# Altium PCB Mixed_Signal_Board_PCB.PcbDoc (part 4 of 4)
Units mm, origin at the board's own origin, x right, y up, seen from the top; angles counter-clockwise.
Board outline 144 x 107 mm, 4 copper layers (Top, PWR, GND, Bottom), stack 1.514 mm thick; 243 components, 208 nets, 912 pads, 526 vias.
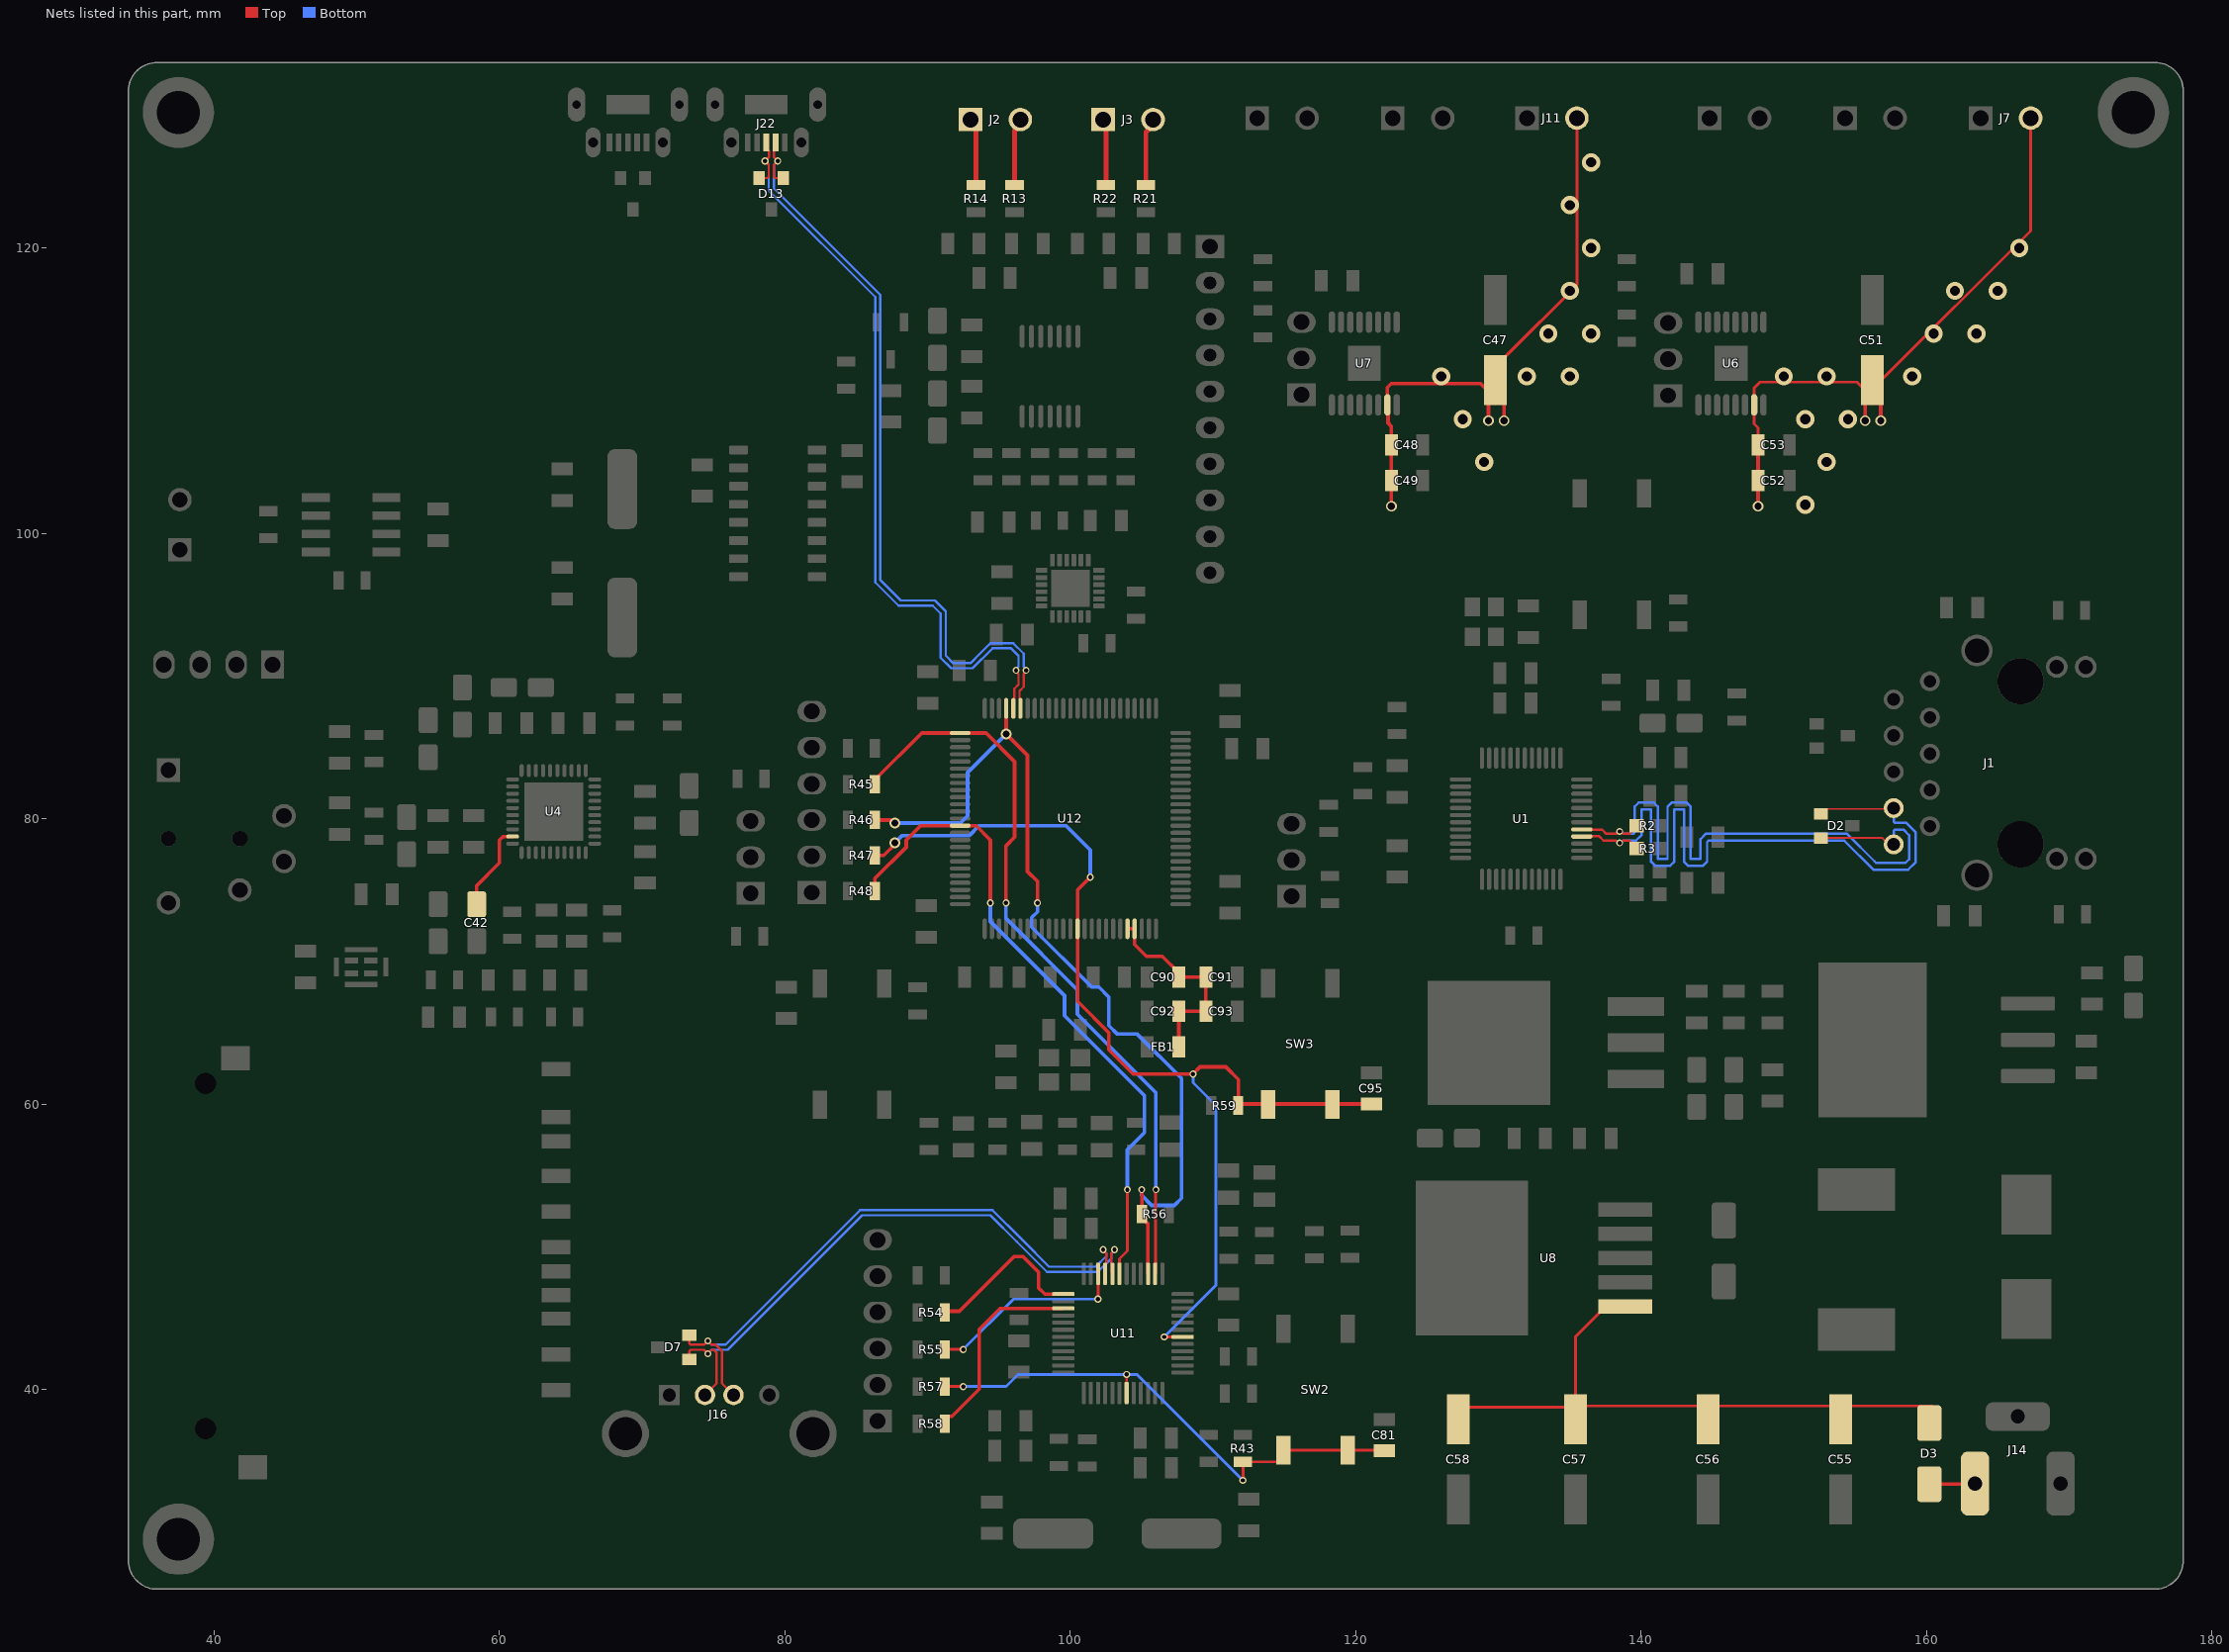
[diagram p6: the nets of this part, all layers, seen from the top]

## Via types
v1: diameter 0.75, hole 0.5, Top to Bottom, 298 vias
v2: diameter 0.5, hole 0.3, Top to Bottom, 142 vias
v3: diameter 1.27, hole 0.711, Top to Bottom, 63 vias
v4: diameter 0.6, hole 0.4, Top to Bottom, 22 vias
v5: diameter 1.25, hole 1, Top to Bottom, 1 vias

## Nets (pads, with @x,y where several pads share a name; then routed paths per layer and width w, separated by ;. In a path a pad name is that pad's centre, name@x,y a point inside that pad or via, vN(x,y) a via of type N, cw(c..) or ccw(c..) an arc to the next point about the centre after c; other vN are vias at no path point) (continued)
STLINK_USB_D_N: D7.1 J16.2 U11.32 | length 43
  Top w0.161: D7.1@73.3,42.1 73.3,42.675 73.394,42.77 73.919,42.77 74.33,42.77 v2(74.6,42.5) 74.87,42.77 75.01,42.77 75.22,42.56 75.22,40.43 J16.2@74.4,39.61 ; U11.32@102.948,48.109 102.888,48.169 102.888,48.893 102.878,48.903 102.878,49.244 102.88,49.246 102.88,49.536 103.1,49.756 v2(103.1,49.8)
  Bottom w0.161: v2(74.6,42.5) 74.87,42.77 75.98,42.77 85.41,52.2 94.4,52.2 96.253,50.347 98.361,48.239 101.929,48.239 102.88,49.191 102.88,49.536 103.1,49.756 v2(103.1,49.8)
STLINK_USB_D_P: D7.2 J16.3 U11.33 | length 43
  Top w0.161: D7.2@73.3,43.8 73.3,43.225 73.394,43.13 73.77,43.13 74.33,43.13 v2(74.6,43.4) 74.87,43.13 75.159,43.13 75.58,42.709 75.58,40.43 J16.3@76.4,39.61 ; v2(102.3,49.8) 102.3,49.756 102.52,49.536 102.52,49.396 102.518,49.394 102.518,48.903 102.508,48.893 102.508,48.169 U11.33@102.448,48.109
  Bottom w0.161: v2(74.6,43.4) 74.87,43.13 75.83,43.13 85.261,52.561 94.549,52.561 96.614,50.497 98.51,48.6 101.779,48.6 102.52,49.34 102.52,49.536 102.3,49.756 v2(102.3,49.8)
STM_JTCK/SWCLK: R54.2 U11.37 | length 11.7
  Top w0.254: R54.2@91.2,45.4 91.282,45.482 92.232,45.482 96.05,49.3 96.7,49.3 97.768,48.232 97.768,47.132 98.221,46.679 U11.37@99.518,46.679
STM_JTDO/SWO: R58.2 U11.39 | length 14.3
  Top w0.254: R58.2@91.2,37.6 91.2,37.892 91.423,38.115 91.715,38.115 93.618,40.018 93.618,44.218 95.079,45.679 U11.39@99.518,45.679
STM_JTMS/SWDIO: R55.2 U11.34 | length 14
  Top w0.2: R55.2@91.2,42.8 v2(92.5,42.8) ; v2@101.948,46.334 U11.34@101.948,48.109
  Bottom w0.2: v2(92.5,42.8) 96.03,46.33 v2(101.944,46.33)
STM_NRST: C81.1 R43.1 R57.2 SW2.2 SW2.4 U11.7 | length 37.4
  Top w0.2: R57.2@91.2,40.2 v2(92.5,40.2) ; U11.7@103.948,39.749 v2(103.948,41.049) ; v2(112.1,33.625) R43.1@112.1,34.925 114.55,34.925 114.95,35.325 SW2.4@114.95,35.75 SW2.2@119.45,35.75 121.95,35.75 C81.1@122,35.7
  Bottom w0.2: v2(92.5,40.2) 95.5,40.2 96.349,41.049 v2(103.948,41.049) 104.676,41.049 v2(112.1,33.625)
T_JTCK/SWCLK: R45.2 U11.26 U12.76 | length 52.8
  Top w0.2: U11.26@105.948,48.109 105.974,48.135 105.974,53.974 v2(106,54)
  Top w0.254: R45.2@86.304,82.422 86.304,82.722 89.59,86.008 U12.76@92.283,86.008 92.292,85.999 94.101,85.999 96.1,84 96.1,78.7 95.5,78.1 v2(95.5,74.1)
  Bottom w0.254: v2(95.5,74.1) 95.5,73 100.5,68 100.5,66.3 106,60.8 v2(106,54)
T_JTMS/SWDIO: R46.2 R56.1 U11.27 U12.72 | length 64.3
  Top w0.254: R46.2@86.304,79.922 86.326,79.9 87.366,79.9 87.566,79.7 v1(87.7,79.7) ; U12.72@95.508,87.733 v1(95.508,85.933) 97,84.441 97,76.3 97.7,75.6 v2(97.7,74.1) ; v2(105,54) 105.013,53.988 105.013,52.312 R56.1@105.025,52.3 105.025,52 105.448,51.577 U11.27@105.448,48.109
  Bottom w0.254: v1(87.7,79.7) 92.3,79.7 92.8,80.2 92.8,83.225 v1(95.508,85.933) ; v2(97.7,74.1) 97.7,73.467 97.3,73.067 97.3,72.4 101.5,68.2 102,68.2 102.7,67.5 102.7,65.5 103.3,64.9 104.7,64.9 107.8,61.8 107.8,53.4 107.3,52.9 105.7,52.9 105,53.6 v2(105,54)
T_NRST: C95.1 R47.2 R59.1 SW3.2 SW3.4 U11.18 U12.14 | length 75.4
  Top w0.2: v2(106.578,43.679) U11.18@107.878,43.679
  Top w0.254: R47.2@86.304,77.422 86.929,77.422 87.7,78.193 v1(87.7,78.3) ; v2(101.4,75.9) 100.508,75.008 100.508,67.192 102.7,65 102.7,63.8 104.4,62.1 v2(108.6,62.1) 109.1,62.6 110.9,62.6 111.775,61.725 R59.1@111.775,59.9 111.875,60 C95.1@121.1,60
  Bottom w0.2: v2(106.578,43.679) 110.2,47.301 110.2,59.9 108.6,61.5 v2(108.6,62.1)
  Bottom w0.254: v1(87.7,78.3) 88.2,78.8 92.9,78.8 93.6,79.5 99.7,79.5 101.4,77.8 v2(101.4,75.9)
T_SWO: R48.2 U11.31 U12.89 | length 46.8
  Top w0.2: U11.31@103.448,48.109 103.448,49.148 104,49.7 v2(104,54)
  Top w0.254: R48.2@86.304,74.922 86.304,75.804 88.5,78 88.5,78.5 89.508,79.508 U12.89@92.283,79.508 92.292,79.499 93.401,79.499 94.4,78.5 v2(94.4,74.1)
  Bottom w0.254: v2(94.4,74.1) 94.4,72.8 99.6,67.6 99.6,66.2 105.2,60.6 105.2,58 104,56.8 v2(104,54)
TD_N: D2.1 J1.8 R3.1 U1.16 | length 51.3
  Top w0.124: D2.1@152.6,80.35 152.938,80.688 157.648,80.688 J1.8@157.7,80.74
  Top w0.169: U1.16@135.85,78.75 135.863,78.763 137.066,78.763 137.366,78.463 138.248,78.463 138.411,78.3 v2(138.5,78.3) 138.589,78.3 138.752,78.463 139.185,78.463 139.285,78.364 139.285,78.29 139.675,77.9 R3.1@139.7,77.9
  Bottom w0.169: v2(138.5,78.3) 138.589,78.3 138.752,78.463 139.227,78.463 139.647,78.463 140.024,78.84 140.024,80.645 140.701,80.645 140.701,76.983 140.979,76.705 142.049,76.705 142.327,76.983 142.327,80.645 143.004,80.645 143.004,76.983 143.282,76.705 144.352,76.705 144.629,76.983 144.629,78.364 144.729,78.463 145.088,78.463 154.237,78.463 156.274,76.426 158.721,76.426 159.25,76.955 159.25,79.045 158.588,79.707 157.799,79.707 157.7,79.806 J1.8@157.7,80.74
TD_P: D2.2 J1.10 R2.2 U1.17 | length 49.7
  Top w0.124: D2.2@152.6,78.65 156.906,78.65 157.356,78.2 J1.10@157.7,78.2
  Top w0.169: U1.17@135.85,79.25 135.863,79.237 137.262,79.237 137.562,78.937 138.248,78.937 138.411,79.1 v2(138.5,79.1) 138.589,79.1 138.752,78.937 139.185,78.937 139.285,79.036 139.285,79.11 139.675,79.5 R2.2@139.7,79.5
  Bottom w0.169: v2(138.5,79.1) 138.589,79.1 138.752,78.937 139.227,78.937 139.451,78.937 139.55,79.036 139.55,80.842 139.828,81.12 140.898,81.12 141.175,80.842 141.175,77.179 141.853,77.179 141.853,80.842 142.13,81.12 143.2,81.12 143.478,80.842 143.478,77.179 144.155,77.179 144.155,78.56 144.532,78.937 145.088,78.937 154.433,78.937 156.36,77.01 156.47,76.9 158.525,76.9 158.776,77.151 158.776,78.849 158.392,79.233 157.799,79.233 157.7,79.134 J1.10@157.7,78.2
USB_FS_N: D13.1 J22.2 U12.70 | length 55.2
  Top w0.161: J22.2@79.35,127.4 79.237,127.287 79.237,126.364 v2(79.5,126.1) ; v2(79.5,126.1) 79.23,125.83 79.23,124.994 79.325,124.9 D13.1@79.9,124.9 ; U12.70@96.508,87.733 96.508,88.346 96.438,88.415 96.438,88.951 96.73,89.243 96.73,90.139 96.9,90.308 v2(96.9,90.4)
  Bottom w0.161: v2(79.5,126.1) 79.23,125.83 79.23,124.17 86.695,116.705 86.695,96.716 88.122,95.289 90.511,95.289 91.272,94.528 91.272,93.928 91.272,91.428 91.8,90.9 93.001,90.9 93.65,91.55 94.401,92.3 96,92.3 96.73,91.57 96.73,90.661 96.9,90.492 v2(96.9,90.4)
USB_FS_P: D13.2 J22.3 U12.71 | length 55.3
  Top w0.161: D13.2@78.2,124.9 78.775,124.9 78.87,124.994 78.87,125.83 v2(78.6,126.1) 78.612,126.1 78.876,126.364 78.876,126.799 78.7,126.975 J22.3@78.7,127.4 ; U12.71@96.008,87.733 96.008,88.346 96.078,88.415 96.078,89.101 96.37,89.393 96.37,90.139 96.2,90.308 v2(96.2,90.4)
  Bottom w0.161: v2(78.6,126.1) 78.87,125.83 78.87,124.02 86.334,116.556 86.334,96.567 87.972,94.928 90.362,94.928 90.911,94.379 90.911,93.928 90.911,91.279 91.651,90.539 93.15,90.539 94.55,91.939 95.851,91.939 96.37,91.42 96.37,90.661 96.2,90.492 v2(96.2,90.4)
VDDA: C90.2 C91.2 C92.2 C93.2 FB1.2 U12.21 U12.22 | length 14.5
  Top w0.254: U12.21@104.008,72.283 U12.22@104.508,72.283 104.508,71.177 105.335,70.35 106.45,70.35 107.6,69.2 C90.2@107.6,68.9 C91.2@109.5,68.9 C93.2@109.5,66.5 C92.2@107.6,66.5 FB1.2@107.6,64
VIN: C47.1 C48.2 C49.2 C51.1 C52.2 C53.2 D3.2 J7.2 J11.2 J14.1 U6.15 U7.15 | length 97.9
  Top w0.2: C47.1@129.8,109.452 129.8,111.7 130.5,112.4 135.5,117.4 ; v3@135.05,116.95 135.5,117.4 ; J11.2@135.5,129.1 135.5,123 135.5,117.4 ; C53.2@148.2,106.2 148.2,107.4 147.925,107.675 U6.15@147.925,109 147.925,110.183 148.342,110.6 155.125,110.6 155.7,110.025 C51.1@156.2,109.525 ; C51.1@156.2,109.1 C51.1@156.2,109.525 ; J7.2@167.3,129.1 167.3,121.2 156.8,110.7 156.2,110.1 C51.1@156.2,109.525
  Top w0.254: v1(122.5,101.9) C49.2@122.5,103.7 C48.2@122.5,106.2 122.5,107.5 122.263,107.737 122.263,108.962 U7.15@122.225,109 122.225,110.225 122.5,110.5 126,110.5 128.752,110.5 C47.1@129.3,109.952 ; v1(129.3,107.9) 129.3,110.95 C47.1@129.3,109.952 ; C47.1@129.8,109.1 129.8,109.452 C47.1@129.3,109.952 ; v1(130.4,107.9) C47.1@130.4,110.95 ; v1(148.2,101.9) C52.2@148.2,103.7 C53.2@148.2,106.2 ; v1(155.7,107.9) 155.7,110.025 C51.1@155.7,110.95 ; v1(156.8,107.9) 156.8,110.7 C51.1@156.8,110.95 ; D3.2@160.2,33.36 163.36,33.36 J14.1@163.4,33.4
  other v3: 151.5,102 129,105 153,105 127.5,108 151.5,108 154.5,108 126,111 132,111 135,111 150,111 153,111 159,111 133.5,114 136.5,114 160.5,114 163.5,114 135,117 162,117 165,117 136.5,120 166.5,120 135,123 136.5,126
VIN1N: J2.1 R14.2 | length 4.8
  Top w0.34: J2.1@93,129 93.4,128.6 R14.2@93.4,124.4
VIN1P: J2.2 R13.2 | length 4.8
  Top w0.34: R13.2@96.1,124.4 96.1,128.222 96.5,128.622 J2.2@96.5,129
VIN2N: J3.1 R22.2 | length 4.7
  Top w0.34: J3.1@102.3,129 102.5,128.8 R22.2@102.5,124.4
VIN2P: J3.2 R21.2 | length 4.8
  Top w0.34: R21.2@105.3,124.4 105.3,128.122 105.8,128.622 J3.2@105.8,129
VINBUCK: C55.1 C56.1 C57.1 C58.1 D3.1 U8.1 | length 43.2
  Top w0.2: C58.1@127.2,37.7 127.2,38.05 127.9,38.75 C57.1@135.4,38.75 ; U8.1@138.9,45.8 137.5,45.8 135.4,43.7 135.4,38.84 C57.1@135.4,38.75 ; D3.1@160.4,38.84 154,38.84 144.7,38.84 135.49,38.84 C57.1@135.4,38.75
VQ: C42.1 U4.19 | length 6.2
  Top w0.254: C42.1@58.4,74 58.4,75.3 60,76.9 60,78.5 60.245,78.745 60.92,78.745 U4.19@60.925,78.75
pads on no net: J1.17 J1.18 J4. J4.4 J4.5 J23.8 J23.9 J23.10 J23.11 J23.CD J23.WP OSC1.1 U1.1 U1.7 U1.8 U1.9 U1.10 U1.11 U1.12 U1.25 U1.27 U1.33 U1.38 U1.39 U1.42 U1.45 U1.46 U4.20 U4.23 U4.24 U4.25 U4.26 U4.37 U11.4 U11.11 U11.14 U11.15 U11.16 U11.17 U11.19 U11.21 U11.22 U11.28 U11.29 U11.38 U11.40 U11.41 U11.42 U11.43 U11.45 U11.46 U13.10 U13.11 U13.12 U13.13 U13.15 U14.2 U14.3 U14.4 U14.5 U14.6 U14.7 U14.14 U14.15 U14.16 U14.17 U14.19 U14.21 U14.22 U15.5

## Polygon pours and split planes (outlines as drawn)
5V on Top "5V_L01_P001" (solid, pour order 1): 137.5,66 137,66.5 137,69 137.5,69.5 141.5,69.5 142,69 142,68 143.5,66.5 147.25,66.5 147.5,66.25 147.5,65.25 147.25,65 146.5,65 146.25,64.75 146.25,64 146,63.75 145.85,63.75 145.4,63.3 145.4,57.1 145.75,56.75 171.75,56.75 172.5,57.5 172.5,63.5 172.25,63.75 170.25,63.75 170,64 170,66.25 169.75,66.25 169.5,66.5 165,66.5 164.75,66.75 164.75,67.5 165,67.75 173.5,67.75 173.75,68 175.25,68 175.5,67.75 175.5,51 174.75,50.25 150.5,50.25 136.75,50.25 136.5,50.5 136.5,51.25 136.75,51.5 142,51.5 142.5,52 142.5,65.1 141.6,66
VIN on Top "VIN_L01_P009" (solid, pour order 9): 168.75,129.5 168,130.25 166.75,130.25 166,129.5 166,122.5 157.25,113.75 150.7,113.75 147.7,110.75 147.7,101.5 147.95,101.25 152.2,101.25 168.75,117.8
VIN on Top "VIN_L01_P008" (solid, pour order 8): 137.25,129.5 136.5,130.25 134.5,130.25 133.75,129.5 133.75,116.75 130.75,113.75 125,113.75 122,110.75 122,101.5 122.25,101.25 126.5,101.25 137.25,112
GND on Top "GND_L01_P059" (solid, pour order 59): 89.5,89.1 88.7,89.9 88.7,94.9 89.5,95.7 96.686,95.7 97.4,94.986 97.4,94.7 96.7,94 96.1,94 95.6,93.5 95.6,92.2 95.1,91.7 93.6,91.7 93.3,91.4 93.3,89.6 93.8,89.1
GND on Top "GND_L01_P058" (solid, pour order 58): 59.1,78.9 59,78.8 59,77.5 58.9,77.4 57.9,77.4 57.8,77.3 57.8,76.3 57.5,76 51.9,76 51.5,76.4 51.5,77.1 51.9,77.5 52.5,77.5 52.8,77.8 52.8,78.5 53.2,78.9 58.5,78.9 58.8,79.2 59.1,79.2
1V8 on Top "1V8_L01_P057" (solid, pour order 57): 61.3,80.4 61.4,80.3 61.4,80.2 61.3,80.1 59.4,80.1 58.5,79.2 52.9,79.2 52.6,79.5 52.6,81.7 52.9,82 57.4,82 59,80.4
GND on Top "GND_L01_P056" (solid, pour order 56): 170.9,68.5 170.4,69 170.4,71.2 170.9,71.7 175.4,71.7 175.8,71.3 175.8,69 175.3,68.5
GND on Top "GND_L01_P055" (solid, pour order 55): 143.2,67.4 142.8,67.8 142.8,69.8 143.1,70.1 150.1,70.1 150.4,69.8 150.4,67.8 150,67.4
GND on Top "GND_L01_P054" (solid, pour order 54): 155,119.4 155.4,119.8 157,119.8 157.4,119.4 157.4,114.6 157.1,114.3 155.3,114.3 155,114.6
GND on Top "GND_L01_P053" (solid, pour order 53): 128.6,119.4 129,119.8 130.6,119.8 131,119.4 131,114.6 130.7,114.3 128.9,114.3 128.6,114.6
GND on Top "GND_L01_P052" (solid, pour order 52): 86.8,111.5 86.4,111.1 86.4,109.4 86.6,109.2 89.6,109.2 90,108.8 91.5,108.8 92.2,109.5 98.1,109.5 98.5,109.9 98.5,112.2 98.1,112.6 96.2,112.6 95.6,113.2 87.1,113.2 86.8,112.9
GND on Top "GND_L01_P051" (solid, pour order 51): 77.4,105.4 75.7,105.4 75.2,104.9 75.2,104.3 75,104.1 73.4,104.1 73.2,104.3 73.2,106.9 73.5,107.2 77.4,107.2 77.6,107 77.6,105.6
GND on Top "Top-GND" (solid, pour order 50): 122.5,40 123.5,39 123.5,29.4 124.2,28.7 171.2,28.7 173.8,31.3 173.8,46.3 171.35,48.75 164.85,48.75 162.4,46.3 162.4,38.8 164.7,36.5 165.9,36.5 166.5,35.9 166.5,31.6 165,30.1 159.9,30.1 157.7,32.3 157.7,34.3 157,35 125.5,35 125,35.5 125,41.25 125.75,42 131,42 136,47 136,48.25 136.25,48.5 141.75,48.5 142.25,49 142.25,49.5 141.75,50 136.25,50 136,50.25 136,51.75 136.25,52 141.7,52 142,52.3 142,62.3 141.7,62.6 137.5,62.6 137.2,62.3 137.2,55.6 136.433,54.833 131.979,54.821 131.8,55 131.8,58.2 131.6,58.4 127,58.4 126.8,58.2 126.8,55 126.607,54.807 122.998,54.798 122.5,54.3
VINBUCK on Top "VINBUCK_L01_P004" (solid, pour order 4): 161.5,36.5 161.5,40.7 160.9,41.3 141.7,41.3 141.25,41.75 141.25,46 140.75,46.5 136.75,46.5 134,43.75 131.5,41.25 126.25,41.25 125.75,40.75 125.75,36 161,36
ADC_VREF on Top "ADC_VREF_L01_P049" (solid, pour order 49): 97.4,113 97.5,113.1 97.5,114.9 97.2,115.2 94.6,115.2 93.8,116 86.4,116 83.4,113 83.4,111.6 83.6,111.4 85.9,111.4 86.4,111.9 86.4,113.1 86.9,113.6 95.923,113.6 96.537,112.987 96.55,113
GND on Top "GND_L01_P048" (solid, pour order 48): 165,62.4 165.2,62.6 170.2,62.6 170.4,62.8 172,62.8 172.2,62.6 172.2,60 172,59.8 165.2,59.8 165,60
GND on Top "GND_L01_P047" (solid, pour order 47): 145.8,60.6 146,60.8 149.9,60.8 150.1,60.6 150.1,57.5 149.9,57.3 146,57.3 145.8,57.5
1V8 on Top "1V8_L01_P003" (solid, pour order 3): 136.1,55.2 136.8,55.9 136.8,62.6 137.2,63 141.7,63 142,63.3 142,65 141.75,65.25 137.25,65.25 136.25,66.25 136.25,69 135.75,69.5 124.25,69.5 123.5,68.75 123.5,55.9 124.2,55.2 126.3,55.2 126.6,55.5 126.6,58.4 126.9,58.7 131.9,58.7 132.2,58.4 132.2,55.5 132.5,55.2
3V3 on Top "3V3_L01_P044" (solid, pour order 44): 66.2,79.2 66.2,79.3 66.3,79.4 68.7,79.4 69.4,78.7 72.2,78.7 72.4,78.5 72.4,77.1 72.2,76.9 69.2,76.9 69,77.1 69,78 67.9,79.1 66.3,79.1
NetC7_2 on Top "NETC7_2_L01_P043" (solid, pour order 43): 140.7,76.7 140.9,76.9 143.6,76.9 143.8,76.7 143.8,74.3 143.6,74.1 140.901,74.1 140.7,74.3
NetC5_2 on Top "NETC5_2_L01_P042" (solid, pour order 42): 140.7,79.9 140.9,80.1 143.6,80.1 143.8,79.9 143.8,77.5 143.6,77.3 140.901,77.3 140.7,77.5
NetR6_1 on Top "NETR6_1_L01_P041" (solid, pour order 41): 130.7,76.5 130.8,76.6 131.4,76.6 131.5,76.5 131.5,71.1 131.4,71 130.4,71 130.3,71.1 130.3,72.6 130.4,72.7 130.6,72.7 130.7,72.8
ETH_PFBOUT on Top "ETH_PFBOUT_L01_P040" (solid, pour order 40): 135,82.2 135,82.3 135.1,82.4 136.6,82.4 137.4,83.2 137.4,85.8 140.1,88.5 140.1,89.7 140.3,89.9 141.3,89.9 141.5,89.7 141.5,87.7 141.9,87.3 141.9,86.1 141.6,85.8 138.3,85.8 137.9,85.4 137.9,83.4 136.6,82.1 135.1,82.1
ETH_PFBIN1 on Top "ETH_PFBIN1_L01_P039" (solid, pour order 39): 135.1,79.6 135,79.7 135,79.8 135.1,79.9 136.7,79.9 139.2,82.4 141.2,82.4 141.3,82.3 141.3,80.9 141.2,80.8 138,80.8 136.8,79.6
NetC107_2 on Top "NETC107_2_L01_P038" (solid, pour order 38): 99.9,97.7 99.9,99 99.1,99.8 97,99.8 96.5,100.3 96.5,101.6 96.3,101.8 95.2,101.8 95,101.6 95,99.5 95.2,99.3 98.9,99.3 99.6,98.6 99.6,97.7
NetC106_2 on Top "NETC106_2_L01_P037" (solid, pour order 37): 99.1,94.6 99.4,94.6 99.4,92.9 99.3,92.8 98.4,92.8 97.7,92.1 96.5,92.1 96.4,92.2 96.4,93.6 96.5,93.7 98.1,93.7 98.3,93.5 98.4,93.4 98.8,93.4 99.1,93.7
3V3 on Top "3V3_L01_P036" (solid, pour order 36): 100.6,97.7 100.6,102.8 100.7,102.9 101.8,102.9 101.9,102.8 101.9,99.4 101.3,98.8 101,98.8 100.9,98.7 100.9,97.7
3V3 on Top "3V3_L01_P035" (solid, pour order 35): 98.4,97.55 98.4,97.25 98.375,97.225 97.525,97.225 97.4,97.1 97.4,96.9 97.3,96.8 92.9,96.8 92.8,96.9 92.8,97.7 92.9,97.8 98.15,97.8
5V on Top "5V_L01_P034" (solid, pour order 34): 96.8,108.9 96.8,107.5 96.7,107.4 94.2,107.4 91.6,104.8 83.7,104.8 83.2,105.3 81.5,105.3 81.3,105.5 81.3,110.4 81.5,110.6 85.6,110.6 85.8,110.4 85.8,108.7 86,108.5 91.9,108.5 92.4,109 96.7,109
3V3 on Top "3V3_L01_P033" (solid, pour order 33): 119.5,114 119.8,114 119.9,114.1 119.9,115.9 118.6,117.2 118.6,120.2 118.3,120.5 116.8,120.5 116.5,120.2 116.5,117.6 117.3,116.8 118.3,116.8 119.4,115.7 119.4,114.1 119.4,115.9 119.4,114.1
3V3 on Top "3V3_L01_P032" (solid, pour order 32): 141.6,118.3 138.3,118.3 137.9,118.7 137.9,120.9 138.4,121.4 143.1,121.4 144.3,120.2 144.3,117.4 145.6,116.1 145.6,114.1 145.5,114 145.2,114 145.1,114.1 145.1,115.9 144.2,116.8 143.1,116.8
NetR35_1 on Top "NETR35_1_L01_P031" (solid, pour order 31): 119.1,114 119.2,114.1 119.2,115.4 118,116.6 117.1,116.6 116,117.7 112.6,117.7 112.2,117.3 112.2,115.2 112.5,114.9 114.5,114.9 115.3,115.7 117.2,115.7 117.9,115 117.9,114.1 118,114
NetR33_1 on Top "NETR33_1_L01_P030" (solid, pour order 30): 144.8,114 144.9,114.1 144.9,115.8 144.1,116.6 142.8,116.6 141.7,117.7 138.3,117.7 137.9,117.3 137.9,115.2 138.2,114.9 140.2,114.9 141,115.7 142.9,115.7 143.6,115 143.6,114.1 143.7,114
3V3 on Top "3V3_L01_P029" (solid, pour order 29): 130.8,83.5 130.9,83.5 131,83.6 131,86.6 131.7,87.3 134,87.3 134.4,87.7 134.4,90.7 134,91.1 131.7,91.1 131.3,90.7 131.3,87.5 130.7,86.9 130.7,83.6
3V3 on Top "3V3_L01_P028" (solid, pour order 28): 135.1,81.8 135.2,81.9 136.7,81.9 138.2,83.4 138.2,85.2 138.5,85.5 141.3,85.5 141.6,85.2 141.6,83.6 141.3,83.3 138.9,83.3 137.2,81.6 135.2,81.6 135.1,81.7
3V3 on Top "3V3_L01_P027" (solid, pour order 27): 128.1,77.4 128.2,77.3 128.2,75.4 128.1,75.3 120.9,75.3 120.7,75.5 120.7,77.2 120.9,77.4
3V3 on Top "3V3_L01_P025" (solid, pour order 25): 94.2,88.4 94.2,87 93.8,86.6 88,86.6 87.6,87 87.6,88.4 87.8,88.6 94,88.6
3V3 on Top "3V3_L01_P024" (solid, pour order 24): 107,85.85 107,87.2 107.3,87.5 113,87.5 113.4,87.1 113.4,86.5 112.75,85.85
3V3 on Top "3V3_L01_P023" (solid, pour order 23): 107,75.1 107.1,75.2 108.6,75.2 109.5,76.1 113.2,76.1 113.3,76 113.3,75 113.112,74.812 107.088,74.812 107,74.9
3V3 on Top "3V3_L01_P022" (solid, pour order 22): 101,47.3 101.1,47.4 101.1,50 100.3,50.8 100.3,54.1 100.1,54.3 97.3,54.3 97.1,54.1 97.1,49.9 99.7,47.3
3V3 on Top "3V3_L01_P021" (solid, pour order 21): 107.1,46.5 107,46.6 107,46.8 107.5,47.3 113.3,47.3 113.5,47.1 113.5,46.3 113.3,46.1 109.8,46.1 109.4,46.5
3V3 on Top "3V3_L01_P020" (solid, pour order 20): 104.8,40.5 104.9,40.6 105,40.6 105.1,40.5 105.1,38.7 106.3,37.5 107.7,37.5 107.9,37.3 107.9,32.5 107.7,32.3 106.5,32.3 106.3,32.5 106.3,36.8 104.8,38.3
3V3 on Top "3V3_L01_P019" (solid, pour order 19): 100.3,41.3 101.1,40.5 101.1,38.8 99.7,37.4 98.3,37.4 97.8,36.9 97.8,33.9 97.5,33.6 96.4,33.6 96.1,33.9 96.1,39.8 95.9,40 94.3,40 94,40.3 94,41.6 94.3,41.9 97.3,41.9 97.9,41.3
3V3 on Top "3V3_L01_P018" (solid, pour order 18): 102.8,72.9 102.9,73 103.1,73 103.2,72.9 103.2,70.8 104.4,69.6 104.4,66.9 104.2,66.7 103.4,66.7 103.2,66.9 103.2,69.5 102.8,69.9
3V3 on Top "3V3_L01_P017" (solid, pour order 17): 98.8,72.9 98.9,73 99.1,73 99.2,72.9 99.2,67 99.1,66.9 98.2,66.9 98.1,67 98.1,70.1 98.8,70.8
3V3 on Top "3V3_L01_P016" (solid, pour order 16): 93,74.2 93.1,74.1 93.1,72 93,71.9 92.8,71.9 92.7,71.8 92.7,69.9 92.8,69.8 93.1,69.8 93.2,69.7 93.2,64.4 93.1,64.3 88.5,64.3 88.4,64.4 88.4,66.7 88.5,66.8 90,66.8 90.1,66.9 90.1,69.1 90,69.2 89,69.2 88.9,69.3 88.9,72.2 89,72.3 91.4,72.3 91.5,72.4 91.5,74.1 91.6,74.2
3V3 on Top "3V3_L01_P015" (solid, pour order 15): 63.9,83 64,82.9 64.1,82.9 64.2,83 64.2,85.5 64.6,85.9 63.5,85.9 63.9,85.5
3V3 on Top "3V3_L01_P013" (solid, pour order 13): 61.5,85.8 61.3,86 61.3,88 61.5,88.2 61.7,88.2 61.9,88.4 61.9,90.6 62.1,90.8 72.6,90.8 72.8,90.6 72.8,88.1 72.6,87.9 68.1,87.9 67.9,88.1 67.9,89 67.7,89.2 65.5,89.2 65.3,89 65.3,86 65.1,85.8
GND on Top "GND_L01_P012" (solid, pour order 12): 78.2,126.6 78.3,126.7 78.3,129.2 78.4,129.3 80.5,129.3 80.6,129.2 80.6,126.6 80.9,126.3 81.5,126.3 81.8,126.6 81.8,128.4 82.1,128.7 82.7,128.7 83,129 83,131.1 82.7,131.4 74.6,131.4 74.3,131.1 74.3,129.1 75.6,127.8 75.6,126.5 75.9,126.2 76.6,126.2 77,126.6
GND on Top "GND_L01_P011" (solid, pour order 11): 68.5,126.6 68.6,126.7 68.6,129.2 68.7,129.3 70.8,129.3 70.9,129.2 70.9,126.6 71.2,126.3 71.8,126.3 72.1,126.6 72.1,128.4 72.4,128.7 73,128.7 73.3,129 73.3,131.1 73,131.4 64.9,131.4 64.6,131.1 64.6,129.1 65.9,127.8 65.9,126.5 66.2,126.2 66.9,126.2 67.3,126.6
VDDA on Top "VDDA_L01_P010" (solid, pour order 10): 103.8,72.9 104,73.1 104.5,73.1 104.7,72.9 104.7,71.4 104.9,71.2 110.1,71.2 110.5,70.8 110.5,63.5 110,63 107,63 106.5,63.5 106.5,69.6 106,70.1 105.1,70.1 103.8,71.4
VIN on Top "VIN_L01_P007" (solid, pour order 7): 158.4,32.85 160.25,31 164.75,31 165.5,31.75 165.5,35 164.75,35.75 162.25,35.75 161.5,35 159.1,35 158.4,34.3
NetD4_1 on Top "NETD4_1_L01_P005" (solid, pour order 5): 137,46.75 136.75,47 136.75,48 137,48.25 144,48.25 144.75,49 158.25,49 158.75,48.5 158.75,42.75 158.25,42.25 142.75,42.25 142.25,42.75 142.25,46.5 142,46.75
3V3 on Top "3V3_L01_P002" (solid, pour order 2): 145.75,63.25 146,63.5 146.538,63.5 146.75,63.712 146.75,64.5 147,64.75 148,64.75 148.25,65 148.25,66.25 148.5,66.5 150.5,66.5 150.75,66.75 150.75,69.75 151,70 163.5,70 164.25,69.25 164.25,66.5 164.75,66 169,66 169.5,65.5 169.5,63.5 169,63 164.75,63 164.25,62.5 164.25,57.75 163.75,57.25 151.25,57.25 150.9,57.6 150.9,61 150.65,61.25 146,61.25 145.75,61.5
3V3 on PWR (split plane): 172 vertices, not listed, extent 34.509,26.509 172.771,132.491
1V8 on PWR (split plane): 72.571,80.146 72.571,79.354 71.846,78.629 71.4,78.629 71.35,78.62 71.308,78.592 70.908,78.192 70.88,78.15 70.871,78.1 70.871,77.3 70.88,77.25 70.908,77.208 71.308,76.808 71.35,76.78 71.4,76.771 72.1,76.771 72.15,76.78 72.192,76.808 72.692,77.308 72.72,77.35 72.729,77.4 72.729,78.046 73.154,78.471 74.746,78.471 76.271,76.946 76.271,70.9 76.28,70.85 76.308,70.808 88.008,59.108 88.05,59.08 88.1,59.071 108.6,59.071 108.65,59.08 108.692,59.108 119.554,69.971 124.746,69.971 137.071,57.646 137.071,55.354 136.246,54.529 124.954,54.529 122.892,56.592 122.85,56.62 122.8,56.629 99.1,56.629 99.05,56.62 99.008,56.592 95.846,53.429 77.254,53.429 53.129,77.554 53.129,82.146 53.654,82.671 59.746,82.671 60.371,82.046 60.371,78.5 60.38,78.45 60.408,78.408 61.208,77.608 61.25,77.58 61.3,77.571 66.2,77.571 66.25,77.58 66.292,77.608 66.892,78.208 66.92,78.25 66.929,78.3 66.929,78.7 66.929,81.646 67.954,82.671 70.046,82.671
VIN on PWR (split plane): 176.167,132.482 176.332,132.454 176.493,132.408 176.647,132.344 176.794,132.263 176.93,132.166 177.055,132.055 177.166,131.93 177.263,131.794 177.344,131.647 177.408,131.493 177.454,131.332 177.482,131.167 177.491,131.015 177.49,131 177.49,28 177.491,27.985 177.482,27.833 177.454,27.668 177.408,27.507 177.344,27.353 177.263,27.206 177.166,27.07 177.055,26.945 176.93,26.834 176.794,26.737 176.647,26.656 176.493,26.592 176.332,26.546 176.167,26.518 176.015,26.509 176,26.51 140.494,26.51 168.392,54.408 174.592,60.608 174.62,60.65 174.629,60.7 174.629,65.2 174.62,65.25 174.592,65.292 173.892,65.992 173.85,66.02 173.8,66.029 173.029,66.029 173.029,93.7 173.02,93.75 172.992,93.792 165.992,100.792 165.95,100.82 165.9,100.829 122.054,100.829 121.429,101.454 121.429,120.346 131.354,130.271 136.346,130.271 137.171,129.446 137.171,114.7 137.18,114.65 137.208,114.608 140.908,110.908 140.95,110.88 141,110.871 142.8,110.871 142.85,110.88 142.892,110.908 144.292,112.308 144.32,112.35 144.329,112.4 144.329,113.346 163.473,132.49 176,132.49 176.015,132.491
5V on PWR (split plane): 82.371,127.846 82.371,116.9 82.38,116.85 82.408,116.808 85.408,113.808 85.45,113.78 85.5,113.771 108.246,113.771 115.171,106.846 115.171,98.6 115.18,98.55 115.208,98.508 119.108,94.608 119.15,94.58 119.2,94.571 127.246,94.571 130.871,90.946 130.871,88.8 130.88,88.75 130.908,88.708 146.371,73.246 146.371,63.2 146.38,63.15 146.408,63.108 147.008,62.508 147.05,62.48 147.1,62.471 148.646,62.471 149.971,61.146 149.971,58.9 149.98,58.85 150.008,58.808 150.808,58.008 150.85,57.98 150.9,57.971 162.1,57.971 162.15,57.98 162.192,58.008 169.954,65.771 173.746,65.771 174.371,65.146 174.371,60.754 168.208,54.592 140.127,26.51 80.973,26.51 70.729,36.754 70.729,40.346 71.154,40.771 72.646,40.771 73.071,40.346 73.071,38.7 73.08,38.65 73.108,38.608 80.608,31.108 80.65,31.08 80.7,31.071 128.2,31.071 128.25,31.08 128.292,31.108 140.392,43.208 140.42,43.25 140.429,43.3 140.429,52.546 142.292,54.408 142.692,54.808 142.72,54.85 142.729,54.9 142.729,62.4 142.72,62.45 142.692,62.492 137.429,67.754 137.429,70.2 137.42,70.25 137.392,70.292 125.229,82.454 125.229,88.894 125.22,88.944 125.192,88.986 123.204,90.973 123.192,90.992 123.15,91.02 123.1,91.029 110.754,91.029 107.829,93.954 107.829,101.4 107.82,101.45 107.792,101.492 105.292,103.992 105.25,104.02 105.2,104.029 80.1,104.029 80.05,104.02 80.008,103.992 77.746,101.729 70.954,101.729 65.329,107.354 65.329,127.746 67.254,129.671 80.546,129.671
GND on GND (split plane): 36,132.49 176,132.49 176.015,132.491 176.167,132.482 176.332,132.454 176.493,132.408 176.647,132.344 176.794,132.263 176.93,132.166 177.055,132.055 177.166,131.93 177.263,131.794 177.344,131.647 177.408,131.493 177.454,131.332 177.482,131.167 177.491,131.015 177.49,131 177.49,28 177.491,27.985 177.482,27.833 177.454,27.668 177.408,27.507 177.344,27.353 177.263,27.206 177.166,27.07 177.055,26.945 176.93,26.834 176.794,26.737 176.647,26.656 176.493,26.592 176.332,26.546 176.167,26.518 176.015,26.509 176,26.51 36,26.51 35.985,26.509 35.833,26.518 35.668,26.546 35.507,26.592 35.353,26.656 35.206,26.737 35.07,26.834 34.945,26.945 34.834,27.07 34.737,27.206 34.656,27.353 34.592,27.507 34.546,27.668 34.518,27.833 34.509,27.985 34.51,28 34.51,131 34.509,131.015 34.518,131.167 34.546,131.332 34.592,131.493 34.656,131.647 34.737,131.794 34.834,131.93 34.945,132.055 35.07,132.166 35.206,132.263 35.353,132.344 35.507,132.408 35.668,132.454 35.833,132.482 35.985,132.491

## Other copper
Top:
  pour cut-out: 144.575,54.075 144.9,54.4 146.6,54.4 146.9,54.1 146.9,50.4 147.1,50.2 144.4,50.2 144.575,50.375
  pour cut-out: 143.3,60.9 144.5,60.9 144.8,60.6 144.8,57.8 144.5,57.5 143.3,57.5 143,57.8 143,60.6
  pour cut-out: 122.45,109.65 122.7,109.9 123.1,109.9 123.3,109.7 123.3,109.5 125,107.8 126,106.8 126.5,106.8 126.7,106.6 126.7,105.8 126.5,105.6 125.4,105.6 125.3,105.5 125.3,104.4 125.5,104.2 126.5,104.2 126.8,103.9 126.8,103.3 126.5,103 125.4,103 125.3,102.9 125.3,102.8 125.2,102.7 124.2,102.7 124,102.9 124,107.4 123.3,108.1 122.7,108.1 122.45,108.35
  pour cut-out: 148.15,109.65 148.4,109.9 148.8,109.9 149,109.7 149,109.5 150.7,107.8 151.7,106.8 152.25,106.8 152.5,106.55 152.5,105.85 152.25,105.6 151.3,105.6 151,105.3 151,104.6 151.3,104.3 152.25,104.3 152.5,104.05 152.5,103.35 152.25,103.1 151.2,103.1 151,102.9 151,102.8 150.9,102.7 149.9,102.7 149.65,102.95 149.65,107.45 149.1,108 148.5,108 148.15,108.35
PWR (plane layer: these items are gaps in the copper):
  lines w0.254: 104.8,103.9 105.2,103.9 ; 158.7,44.9 139.7,25.9 ; 172.9,65.9 172.9,93.7 165.9,100.7 122,100.7 121.3,101.4 121.3,120.4 131.3,130.4 136.4,130.4 137.3,129.5 137.3,114.7 141,111 142.8,111 144.2,112.4 144.2,113.4 163.8,133 176.7,133 178,131.7 178,27 176.9,25.9 139.7,25.9 ; 105.2,103.9 107.7,101.4 107.7,93.9 110.7,90.9 123.1,90.9 123.1,90.894 125.1,88.894 125.1,82.4 137.3,70.2 137.3,67.7 142.6,62.4 ; 105.2,103.9 80.1,103.9 77.8,101.6 70.9,101.6 65.2,107.3 65.2,127.8 67.2,129.8 80.6,129.8 82.5,127.9 82.5,116.9 85.5,113.9 108.1,113.9 108.3,113.9 115.3,106.9 115.3,98.6 119.2,94.7 127.3,94.7 131,91 131,88.8 146.5,73.3 146.5,63.2 147.1,62.6 148.7,62.6 150.1,61.2 150.1,58.9 150.9,58.1 162.1,58.1 169.9,65.9 172.6,65.9 173.8,65.9 174.5,65.2 174.5,60.7 168.3,54.5 139.7,25.9 ; 139.7,25.9 81.4,25.9 70.6,36.7 70.6,40.4 71.1,40.9 72.7,40.9 73.2,40.4 73.2,38.7 80.7,31.2 128.2,31.2 140.3,43.3 140.3,52.6 142.2,54.5 142.6,54.9 ; 142.6,54.9 142.6,62.4 ; 142.6,54.9 142.6,58.65 142.6,62.4 ; 53,77.5 77.2,53.3 95.9,53.3 99.1,56.5 122.8,56.5 124.9,54.4 134.1,54.4 136.3,54.4 137.2,55.3 137.2,57.7 124.8,70.1 119.5,70.1 108.6,59.2 88.1,59.2 76.4,70.9 76.4,77 74.8,78.6 73.1,78.6 72.6,78.1 72.6,77.4 72.1,76.9 71.4,76.9 71,77.3 71,78.1 71.4,78.5 71.9,78.5 72.7,79.3 72.7,80.2 70.1,82.8 67.9,82.8 66.8,81.7 66.8,78.7 66.8,78.3 66.2,77.7 61.3,77.7 60.5,78.5 60.5,82.1 59.8,82.8 53.6,82.8 53,82.2 53,77.5

## Silkscreen, mask and mechanical layers (free items; w line width, h text height)
Top Overlay:
  drawing of 38 lines, arcs and shapes, not listed
  text "ADC / INPUTS" at 90,126.297 h1 r90
  text "GND" at 129.954,123.754 h1.25
  text "VIN" at 134.454,123.754 h1.25
  text "GND" at 161.754,123.754 h1.25
  text "VIN" at 166.254,123.754 h1.25
  text "MTR4 / OUT1" at 110.463,122 h1
  text "MTR4 / OUT2" at 114.963,122 h1
  text "MTR3 / OUT2" at 119.963,122 h1
  text "MTR3 / OUT1" at 124.463,122 h1
  text "MTR2 / OUT1" at 142.163,122 h1
  text "MTR2 / OUT2" at 146.663,122 h1
  text "MTR1 / OUT2" at 151.663,122 h1
  text "MTR1 / OUT1" at 156.163,122 h1
  text "IN2-" at 92,121.163 h0.75 r90
  text "IN2+" at 99,121.163 h0.75 r90
  text "IN1-" at 101,121.163 h0.75 r90
  text "IN1+" at 108,121.163 h0.75 r90
  text "USB VCP" at 67.25,118.198 h1 r90
  text "USB/UART" at 76.75,117.414 h1 r90
  text "GND" at 105.947,114.754 h0.75
  text "Designed by Oğuzhan GÜVERCİN" at 39.5,112.602 h5
  text "PA6" at 105.947,112.254 h0.75
  text "PB0" at 105.973,109.654 h0.75
  text "Mix Board V1.0" at 39.5,107.546 h5
  text "PB1" at 106.322,107.154 h0.75
  text "PE7" at 106.073,104.614 h0.75
  text "DRV2 / DCY/TOFF" at 112.164,104.5 h1
  text "DRV1 / DCY/TOFF" at 137.814,104.5 h1
  text "CAN-" at 41.663,103 h1
  text "PE8" at 106.047,102.254 h0.75
  text "PE10" at 105.422,99.754 h0.75
  text "PE12" at 105.422,97.054 h0.75
  text "CAN+" at 41.663,96.5 h1
  text "SWDIO" at 82.446,89.354 h1.25 r90
  text "BOOT0" at 78.346,86.454 h1.25 r90
  text "SPKR / OUTB-" at 37.7,85.5 h0.75 r90
  text "SPKR / OUTB+" at 40.3,85.5 h0.75 r90
  text "SPKR / OUTA-" at 42.9,85.5 h0.75 r90
  text "SPKR / OUTA-" at 45.5,85.5 h0.75 r90
  text "BOOT1" at 116.146,83.854 h1.25 r90
  text "RST" at 114.654,56.954 h1
  text "USR BTN" at 81.354,56.854 h1
  text "STLINK / USB" at 72.406,41.3 h1.25
  text "SWDIO" at 86.996,30.004 h1.25 r90
Bottom Overlay:
  lines w0.254: 37.5,101.4 39,102.9 ; 37.5,102.6 39,104.1 ; 37.5,103.7 39,105.2 ; 37.5,104.8 37.9,105.2 ; 37.75,113.4 39.25,114.9 ; 37.75,114.6 39.25,116.1 ; 37.75,115.7 39.25,117.2 ; 37.75,116.8 38.15,117.2 ; 38.6,100.4 39,100.8 ; 38.6,105.2 39,105.2 ; 38.85,112.4 39.25,112.8 ; 38.85,117.2 39.25,117.2 ; 39,101.9 37.5,100.4 ; 39.25,113.9 37.75,112.4 ; 60.75,100 60.75,108 ; 60.75,112 60.75,120 ; 63.25,103.8 64.75,105.3 ; 63.25,105 64.75,106.5 ; 63.25,106.1 64.75,107.6 ; 63.25,107.2 63.65,107.6 ; 63.5,115.8 65,117.3 ; 63.5,117 65,118.5 ; 63.5,118.1 65,119.6 ; 63.5,119.2 63.9,119.6 ; 64.35,102.8 64.75,103.2 ; 64.6,114.8 65,115.2 ; 64.75,104.3 63.25,102.8 ; 65,116.3 63.5,114.8 ; 37.5,100.4 39,100.4 39,105.2 ; 37.5,100.4 37.5,105.2 39,105.2 ; 37.75,112.4 39.25,112.4 39.25,117.2 ; 37.75,112.4 37.75,117.2 39.25,117.2 ; 63.25,102.8 64.75,102.8 64.75,107.6 ; 63.25,102.8 63.25,107.6 64.75,107.6 ; 63.5,114.8 65,114.8 65,119.6 ; 63.5,114.8 63.5,119.6 65,119.6 ; 37,100 39.5,100 39.5,108 37,108 37,100 ; 37.25,112 39.75,112 39.75,120 37.25,120 37.25,112 ; 62.75,100 65.25,100 65.25,108 62.75,108 62.75,100 ; 63,112 65.5,112 65.5,120 63,120 63,112 ; 80.6,73.3 83.2,73.3 83.2,88.8 80.6,88.8 80.6,73.3 ; 85.2,36.3 87.8,36.3 87.8,51.8 85.2,51.8 85.2,36.3 ; 108.5,95.7 111.1,95.7 111.1,121.6 108.5,121.6 108.5,95.7
  text "About board Config:" at 85,124.25 h1.5
  text "For BOOT1;" at 84.996,121.508 h1.52
  text "1" at 107.546,119.754 h1.52
  text "5V" at 113.62,119.554 h1
  text "3V3" at 114.62,117.054 h1
  text "GND" at 114.62,114.454 h1
  text "1" at 36.496,112.254 h1.52
  text "1" at 62.246,112.254 h1.52
  text "Jumper in / this position / BOOT1 => 0" at 59.75,112 h1.52
  text "Jumper in / this position / BOOT1 => 1" at 85.25,112 h1.52
  text "PA6" at 114.62,111.954 h1
  text "PB0" at 114.594,109.354 h1
  text "For BOOT2;" at 84.996,109.008 h1.52
  text "PB1" at 114.161,106.854 h1
  text "PE7" at 114.494,104.314 h1
  text "PE8" at 114.494,101.774 h1
  text "1" at 36.496,100.254 h1.52
  text "1" at 61.996,100.254 h1.52
  text "Jumper in / this position / BOOT2 => 0" at 59.75,100 h1.52
  text "Jumper in / this position / BOOT2 => 1" at 85.25,100 h1.52
  text "PE10" at 115.327,99.234 h1
  text "PE12" at 115.327,96.694 h1
  text "SWDIO" at 81.254,89.504 h1.25 r270
  text "3V3" at 99.25,86.5 h1.52
  text "GND" at 99.25,83.96 h1.52
  text "JTCK/SWCLK" at 98.996,81.674 h1.52
  text "JTMS/SWDIO" at 99.25,78.88 h1.52
  text "NRST" at 99.25,76.34 h1.52
  text "1" at 79.996,74.004 h1.52
  text "SWO" at 99.25,73.8 h1.52
  text "3V3" at 103.75,49.25 h1.52
  text "GND" at 103.75,46.71 h1.52
  text "JTCK/SWCLK" at 103.496,44.424 h1.52
  text "JTMS/SWDIO" at 103.75,41.63 h1.52
  text "NRST" at 103.75,39.09 h1.52
  text "1" at 84.746,37.004 h1.52
  text "SWO" at 103.75,36.55 h1.52
  text "SWDIO" at 85.754,30.004 h1.25 r270
Mechanical 15:
  the board outline again, w0.5

## Text inside footprints (layer, text, board x,y; h text height)
C1: Mechanical 29 "100nF" at 129.754,89.654 h0.76
C2: Mechanical 29 "100nF" at 122.354,78.446 h0.76 r270
C3: Mechanical 29 "100nF" at 140.254,84.004 h0.76
C4: Mechanical 29 "100nF" at 129.754,87.554 h0.76
C5: Mechanical 29 "100nF" at 142.754,78.504 h0.76
C6: Mechanical 29 "100nF" at 132.646,92.354 h0.76 r90
C7: Mechanical 29 "100nF" at 142.754,75.004 h0.76
C8: Mechanical 29 "10uF" at 140.754,86.154 h0.75
C9: Mechanical 29 "100nF" at 143.346,89.546 h0.76 r180
C10: Mechanical 29 "100nF" at 140.254,81.254 h0.76
C11: Mechanical 29 "100nF" at 122.354,84.046 h0.76 r270
C12: Mechanical 29 "100nF" at 160.854,72.654 h0.76
C13: Mechanical 29 "100nF" at 161.054,94.254 h0.76
C14: Mechanical 29 "220pF" at 95.304,119.758 h0.76
C15: Mechanical 29 "100nF" at 93.004,117.354 h0.76
C16: Mechanical 29 "10uF" at 91.246,107.154 h0.75 r90
C17: Mechanical 29 "10uF" at 90.996,112.254 h0.75 r90
C18: Mechanical 29 "100nF" at 93.496,107.504 h0.76 r90
C19: Mechanical 29 "100nF" at 93.496,112.004 h0.76 r90
C20: Mechanical 29 "220pF" at 90.804,119.758 h0.76
C21: Mechanical 29 "220pF" at 104.504,119.758 h0.76
C22: Mechanical 29 "100nF" at 102.204,117.354 h0.76
C23: Mechanical 29 "220pF" at 99.904,119.758 h0.76
C24: Mechanical 29 "10nF" at 87.004,110.246 h0.76 r270
C25: Mechanical 29 "22nF" at 49.246,78.754 h0.76 r90
C26: Mechanical 29 "1uF" at 73.846,79.654 h1.02 r90
C27: Mechanical 29 "1uF" at 52.954,80.146 h1.02 r270
C28: Mechanical 29 "100nF" at 70.496,79.254 h0.76 r90
C29: Mechanical 29 "100nF" at 58.496,77.404 h0.76 r90
C30: Mechanical 29 "100nF" at 55.996,77.404 h0.76 r90
C31: Mechanical 29 "10uF" at 60.254,88.754 h0.75
C32: Mechanical 29 "100nF" at 70.496,75.004 h0.76 r90
C33: Mechanical 29 "100nF" at 59.254,86.254 h0.76
C34: Mechanical 29 "100nF" at 63.504,86.254 h0.76
C35: Mechanical 29 "22nF" at 49.246,83.754 h0.76 r90
C36: Mechanical 29 "1uF" at 55.546,84.254 h1.02 r90
C38: Mechanical 29 "10nF" at 54.754,65.754 h0.76
C40: Mechanical 29 "1uF" at 57.946,86.554 h1.02 r90
C41: Mechanical 29 "10uF" at 55.154,74.046 h0.75 r270
C42: Mechanical 29 "1uF" at 57.854,74.046 h1.02 r270
C43: Mechanical 29 "150pF" at 65.742,70.754 h0.76 r90
C44: Mechanical 29 "150pF" at 63.492,70.754 h0.76 r90
C45: Mechanical 29 "100nF" at 46.946,68.154 h0.76 r90
C47: Mechanical 29 "100uF" at 127.55,113.05 h1
C48: Mechanical 29 "100nF" at 122.004,105.754 h0.76
C49: Mechanical 29 "100nF" at 122.004,103.254 h0.76
C50: Mechanical 29 "470nF" at 116.95,117.45 h0.75
C51: Mechanical 29 "100uF" at 153.8,113.3 h1
C52: Mechanical 29 "100nF" at 147.754,103.254 h0.76
C53: Mechanical 29 "100nF" at 147.754,105.754 h0.76
C54: Mechanical 29 "470nF" at 142.45,117.7 h0.75
C55: Mechanical 29 "100uF" at 151.3,34.3 h1.25
C56: Mechanical 29 "100uF" at 141.8,34.3 h1.25
C57: Mechanical 29 "100uF" at 132.8,34.3 h1.25
C58: Mechanical 29 "100uF" at 124.3,34.3 h1.25
C59: Mechanical 29 "330uF" at 163.504,48.504 h1.5
C60: Mechanical 29 "10uF" at 175.046,66.854 h0.75 r90
C61: Mechanical 29 "10uF" at 145.954,62.446 h0.75 r270
C62: Mechanical 29 "10uF" at 143.354,62.446 h0.75 r270
C63: Mechanical 29 "10uF" at 125.154,57.054 h0.75
C65: Mechanical 29 "100nF" at 171.254,69.746 h0.76 r270
C66: Mechanical 29 "100nF" at 148.754,62.996 h0.76 r270
C69: Mechanical 29 "100nF" at 143.504,68.496 h0.76 r270
C70: Mechanical 29 "100nF" at 135.254,57.254 h0.76
C72: Mechanical 29 "470nF" at 98.7,52.95 h0.75
C75: Mechanical 29 "100nF" at 110.754,47.246 h0.76 r270
C76: Mechanical 29 "100nF" at 98.754,51.004 h0.76
C77: Mechanical 29 "100nF" at 96.004,43.996 h0.76 r270
C78: Mechanical 29 "10nF" at 104.554,36.054 h0.76
C79: Mechanical 29 "10nF" at 94.354,35.154 h0.76
C80: Mechanical 29 "20pF" at 94.208,32.446 h0.76 r270
C81: Mechanical 29 "100nF" at 122.546,35.354 h0.76 r90
C82: Mechanical 29 "20pF" at 112.208,32.646 h0.76 r270
C83: Mechanical 29 "100nF" at 101.254,68.354 h0.76
C84: Mechanical 29 "100nF" at 92.004,68.504 h0.76
C85: Mechanical 29 "100nF" at 110.654,89.346 h0.76 r270
C86: Mechanical 29 "100nF" at 111.746,73.054 h0.76 r90
C87: Mechanical 29 "100nF" at 89.454,90.646 h0.76 r270
C88: Mechanical 29 "100nF" at 89.354,74.246 h0.76 r270
C89: Mechanical 29 "100nF" at 96.054,68.354 h0.76
C90: Mechanical 29 "100nF" at 105.054,68.354 h0.76
C91: Mechanical 29 "100nF" at 109.004,68.504 h0.76
C94: Mechanical 29 "10pF" at 95.208,64.046 h0.76 r270
C95: Mechanical 29 "100nF" at 121.496,59.504 h0.76 r90
C96: Mechanical 29 "10pF" at 98.154,64.908 h0.76
C97: Mechanical 29 "100nF" at 79.754,68.746 h0.76 r270
C98: Mechanical 29 "100nF" at 110.754,84.504 h0.76
C100: Mechanical 29 "100nF" at 85.246,103.004 h0.76 r90
C101: Mechanical 29 "10nF" at 74.496,102.254 h0.76 r90
C102: Mechanical 29 "30pF" at 64.692,101.954 h0.76 r90
C103: Mechanical 29 "30pF" at 64.742,95.254 h0.76 r90
C104: Mechanical 29 "100nF" at 95.496,94.504 h0.76 r90
C105: Mechanical 29 "10nF" at 101.254,100.504 h0.76
C106: Mechanical 29 "2.2nF" at 94.254,92.504 h0.76
C107: Mechanical 29 "100nF" at 93.004,100.504 h0.76
C108: Mechanical 29 "100nF" at 55.996,99.004 h0.76 r90
D1: Mechanical 29 "TVS" at 153.846,84.534 h1 r90
D2: Mechanical 29 "TVS" at 154.146,78.234 h1 r90
D3: Mechanical 29 "D1FH3" at 159.379,36.996 h1 r270
D4: Mechanical 29 "D1FH3" at 146.246,48.254 h1 r90
D5: Mechanical 29 "KIRM" at 111.496,53.254 h1 r90
D6: Mechanical 29 "YESIL" at 113.254,55.496 h0.75 r270
D7: Mechanical 29 "TVS" at 71.754,44.216 h1 r270
D8: Mechanical 29 "MAVI" at 92.004,58.746 h1 r270
D9: Mechanical 29 "YESIL" at 96.754,58.746 h1 r270
D10: Mechanical 29 "KIRM" at 101.754,58.746 h1 r270
D11: Mechanical 29 "SARI" at 106.504,58.996 h1 r270
D12: Mechanical 29 "TVS" at 68.084,123.354 h1
D13: Mechanical 29 "TVS" at 77.784,123.354 h1
FB1: Mechanical 29 "Ferrite" at 104.9,63.65 h0.5
J4: Mechanical 29 "PCB EDGE" at 33.4,72.85 h1.52 r90
J5: Top Overlay "1" at 43.354,93.046 h1.52 r270
J9: Top Overlay "1" at 140.122,110.422 h1.52 r180
J13: Top Overlay "1" at 113.854,108.954 h1.52
J15: Top Overlay "1" at 79.554,73.954 h1.52
J17: Top Overlay "1" at 84.722,38.542 h1.52 r180
J18: Top Overlay "1" at 111.554,119.554 h1.52
J19: Top Overlay "1" at 113.722,75.322 h1.52 r180
J20: Top Overlay "1" at 75.254,73.954 h1.52
L1: Mechanical 29 "33 / uH" at 159.25,46.5 h3 r90
OSC1: Mechanical 29 "OSC / 50MHZ" at 128.1,95.2 h0.5 r270
R1: Mechanical 29 "2K2" at 142.029,95.571 h0.76 r270
R2: Mechanical 29 "49R9" at 139,79 h0.75
R3: Mechanical 29 "49R9" at 139,77.25 h0.75
R4: Mechanical 29 "49R9" at 139,75.75 h0.75
R5: Mechanical 29 "49R9" at 139,74 h0.75
R6: Mechanical 29 "2K2" at 130.629,71.229 h0.76
R7: Mechanical 29 "2K2" at 121.071,81.529 h0.76 r90
R8: Mechanical 29 "330R" at 169.004,73.004 h0.76
R9: Mechanical 29 "2K2" at 123.471,85.729 h0.76 r90
R10: Mechanical 29 "330R" at 168.754,94.254 h0.76
R11: Mechanical 29 "4K87" at 137.45,90.3 h0.76 r270
R12: Mechanical 29 "2K2" at 146.129,88.971 h0.76 r270
R13: Mechanical 29 "301R" at 96.421,122.054 h0.76 r90
R14: Mechanical 29 "301R" at 93.721,122.054 h0.76 r90
R15: Mechanical 29 "100R" at 96.198,103.279 h0.76 r90
R16: Mechanical 29 "100R" at 94.198,103.279 h0.76 r90
R17: Mechanical 29 "100R" at 98.198,103.279 h0.76 r90
R18: Mechanical 29 "100R" at 100.198,103.279 h0.76 r90
R19: Mechanical 29 "100R" at 102.198,103.279 h0.76 r90
R20: Mechanical 29 "100R" at 104.198,103.279 h0.76 r90
R21: Mechanical 29 "301R" at 105.621,122.054 h0.76 r90
R22: Mechanical 29 "301R" at 102.821,122.054 h0.76 r90
R23: Mechanical 29 "1K" at 84.746,110.504 h0.76 r90
R24: Mechanical 29 "51R1" at 51.771,78.329 h0.76 r90
R25: Mechanical 29 "51R1" at 51.496,83.754 h0.76 r90
R26: Mechanical 29 "2K" at 69.246,86.754 h0.76 r90
R27: Mechanical 29 "2K" at 72.496,86.754 h0.76 r90
R28: Mechanical 29 "100R" at 68.246,71.254 h0.76 r90
R29: Mechanical 29 "100K" at 63.254,65.754 h0.76
R30: Mechanical 29 "100K" at 59.004,65.754 h0.76
R31: Mechanical 29 "100R" at 60.329,73.671 h0.76 r270
R32: Mechanical 29 "1K2" at 55.254,68.254 h0.76
R33: Mechanical 29 "10K" at 139.571,117.129 h0.76 r90
R34: Mechanical 29 "10K" at 139.496,113.254 h0.76 r90
R35: Mechanical 29 "10K" at 114.071,117.129 h0.76 r90
R36: Mechanical 29 "10K" at 114.071,113.529 h0.76 r90
R37: Mechanical 29 "4K7" at 110.629,39.129 h0.76
R38: Mechanical 29 "330R" at 111.421,48.704 h0.76 r90
R39: Mechanical 29 "330R" at 113.921,48.679 h0.76 r90
R40: Mechanical 29 "0R" at 119.921,49.529 h0.76 r90
R41: Mechanical 29 "4K7" at 110.271,34.729 h0.76 r90
R42: Mechanical 29 "0R" at 117.421,49.504 h0.76 r90
R43: Mechanical 29 "10K" at 112.671,34.729 h0.76 r90
R44: Mechanical 29 "22R" at 84.208,84.351 h0.76
R45: Mechanical 29 "22R" at 84.208,81.851 h0.76
R46: Mechanical 29 "22R" at 84.208,79.351 h0.76
R47: Mechanical 29 "22R" at 84.208,76.851 h0.76
R48: Mechanical 29 "22R" at 84.208,74.351 h0.76
R49: Mechanical 29 "10K" at 99.771,34.429 h0.76 r90
R50: Mechanical 29 "10K" at 101.771,34.404 h0.76 r90
R51: Mechanical 29 "10K" at 110.629,41.729 h0.76
R52: Mechanical 29 "10K" at 95.829,46.971 h0.76 r270
R53: Mechanical 29 "22R" at 89.104,47.429 h0.76
R54: Mechanical 29 "22R" at 89.104,44.829 h0.76
R55: Mechanical 29 "22R" at 89.104,42.229 h0.76
R56: Mechanical 29 "100R" at 104.504,52.004 h0.76
R57: Mechanical 29 "22R" at 89.104,39.629 h0.76
R58: Mechanical 29 "22R" at 89.104,37.029 h0.76
R59: Mechanical 29 "10K" at 110.004,59.504 h0.76
R60: Mechanical 29 "10K" at 88.729,68.371 h0.76 r270
R61: Mechanical 29 "330R" at 89.754,59.246 h0.76 r270
R62: Mechanical 29 "330R" at 94.504,59.246 h0.76 r270
R63: Mechanical 29 "330R" at 99.504,59.246 h0.76 r270
R65: Mechanical 29 "10K" at 117.529,81.171 h0.76 r270
R66: Mechanical 29 "10K" at 76.754,82.504 h0.76
R67: Mechanical 29 "10K" at 117.629,76.171 h0.76 r270
R68: Mechanical 29 "10K" at 76.754,71.504 h0.76
R69: Mechanical 29 "2K" at 104.996,94.254 h0.76 r90
R70: Mechanical 29 "2K" at 101.254,92.004 h0.76
R71: Mechanical 29 "10K" at 97.754,100.504 h0.76
R73: Mechanical 29 "10K" at 48.529,96.129 h0.76
U1: Mechanical 29 "DP83848 / ETH" at 128,78 h1
U2: Mechanical 29 "ADS / 1222" at 97.25,110.25 h0.75
U3: Mechanical 29 "TL431" at 85.75,113 h0.75
U4: Mechanical 29 "CS43L22" at 61.254,80.004 h0.75
U5: Mechanical 29 "IMP34 / DT05" at 48.5,68.25 h0.75